# Altium PCB 霍尔IC转接板.PcbDoc
Units mm, origin at the board's own origin, x right, y up, seen from the top; angles counter-clockwise.
Board outline 92.2 x 92.84 mm, 2 copper layers (Top Layer, Bottom Layer); 2 components, 3 nets, 6 pads, 2 vias.
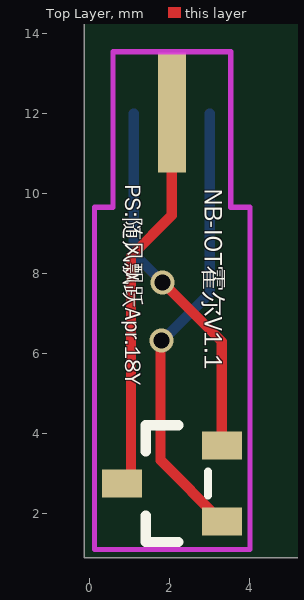
[diagram p0: Top Layer view]
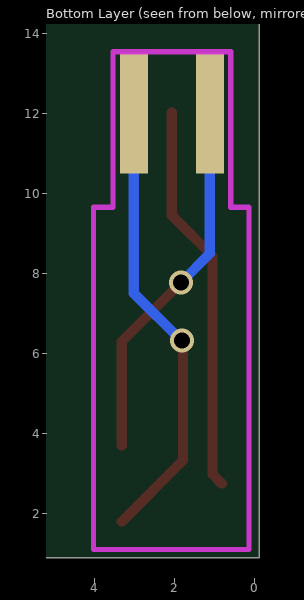
[diagram p1: Bottom Layer view, seen from below]

## Layer stack, top to bottom
Top Layer: signal copper 0.0356
Dielectric: dielectric 0.32, FR-4, Dk 4.8
Bottom Layer: signal copper 0.0356

## Board outline
-0.127,93.726 92.075,93.726 92.075,0.889 -0.127,0.889

## Design rules (kind name [scope] priority, off if disabled: settings)
Clearance [All] p1: gap=0.254
PolygonConnect [All] p1: connectstyle=Relief reliefconductorwidth=0.254 reliefentries=4 polygonreliefangle="90 Angle"
RoutingVias [All] p1: holewidth=0.711 width=1.27 viastyle="Through Hole" minholewidth=0.711 minwidth=1.27 maxholewidth=0.711 maxwidth=1.27
SilkscreenOverComponentPads [All] p1: minsilkscreentomaskgap=0.254
SolderMaskExpansion [All] p1: expansion=0.102
TestPointUsage [All] p1: valid=0 allowmultiple=FALSE
Testpoint [All] p1: side=15 testpointundercomponent=TRUE minsize=1.016 maxsize=2.54 preferedsize=1.524 minholesize=0 maxholesize=1.016 preferedholesize=0.813 testpointgrid=0.025 style=1023 order=0123456789
Width [All] p1: maxlimit=0.254 minlimit=0.254 preferedwidth=0.254
23 further rules are at their usual default settings.

## Components (designator, comment, footprint, x,y, rotation, side; value= is the part's Value field where it differs from the comment)
? "Comment" SOT-23(SOT-23-3) 2.057,2.743 r0 top
? "Comment" 霍尔转接板 2.057,10.744 r90 top

## Footprints (in the part's own frame and the unit in brackets; to place one, negate y for a bottom-side part, rotate by r counter-clockwise, add the part's x,y. Pads: shape width x height; smd on the part's side, far side on the other; paste and mask are expansions set on the pad)
SOT-23(SOT-23-3) [mm]
  rect 1x0.7 smd: 1(1.25,-0.95) 2(1.25,0.95) 3(-1.25,0)
  silkscreen extent -0.65,-1.46 0.9,1.46, body extent -1.5,-1.5 1.5,1.5, height 1.3
霍尔转接板 [mm]
  rect 3x0.7 smd far side: 1(1.25,-0.95) 2(1.25,0.95)
  rect 3x0.7 smd: 3(1.27,0)

## Via types
v1: diameter 0.6, hole 0.4, Top Layer to Bottom Layer, tented both sides, 2 vias

## Nets (pads, with @x,y where several pads share a name; then routed paths per layer and width w, separated by ;. In a path a pad name is that pad's centre, name@x,y a point inside that pad or via, vN(x,y) a via of type N, cw(c..) or ccw(c..) an arc to the next point about the centre after c; other vN are vias at no path point)
1: 
2: 
3: 
pads on no net: ?.1 ?.2 ?.3
copper on no net: | length 30.5
  Top Layer w0.254: 0.807,2.743 1.041,2.977 1.041,8.433 2.057,9.449 2.057,12.014 ; v1(1.803,6.325) 1.778,6.299 1.778,3.323 3.307,1.793 ; v1(1.829,7.772) 3.307,6.294 3.307,3.693
  Bottom Layer w0.254: 1.107,9.027 1.107,9.169 ; 1.107,11.994 1.107,9.169 ; v1@1.829,6.299 1.829,6.325 3.007,7.503 3.007,11.994 ; v1(1.829,7.772) 1.107,8.494 1.107,9.169

## Keep-outs
Keep-Out Layer:
  lines w0.127: 0.127,9.652 0.127,1.092 4.013,1.092 4.013,9.652 3.531,9.652 3.531,13.538 0.584,13.538 ; 0.178,9.652 0.584,9.652 0.584,13.513

## Silkscreen, mask and mechanical layers (free items; w line width, h text height)
Top Overlay:
  text "PS:随风飘跃Apr.18Y" at 0.762,10.211 h0.7 r270
  text "NB-IOT霍尔V1.1" at 2.718,10.109 h0.8 r270